# Allegro board POWERBOARD_V1_11_20240516.brd (continued)
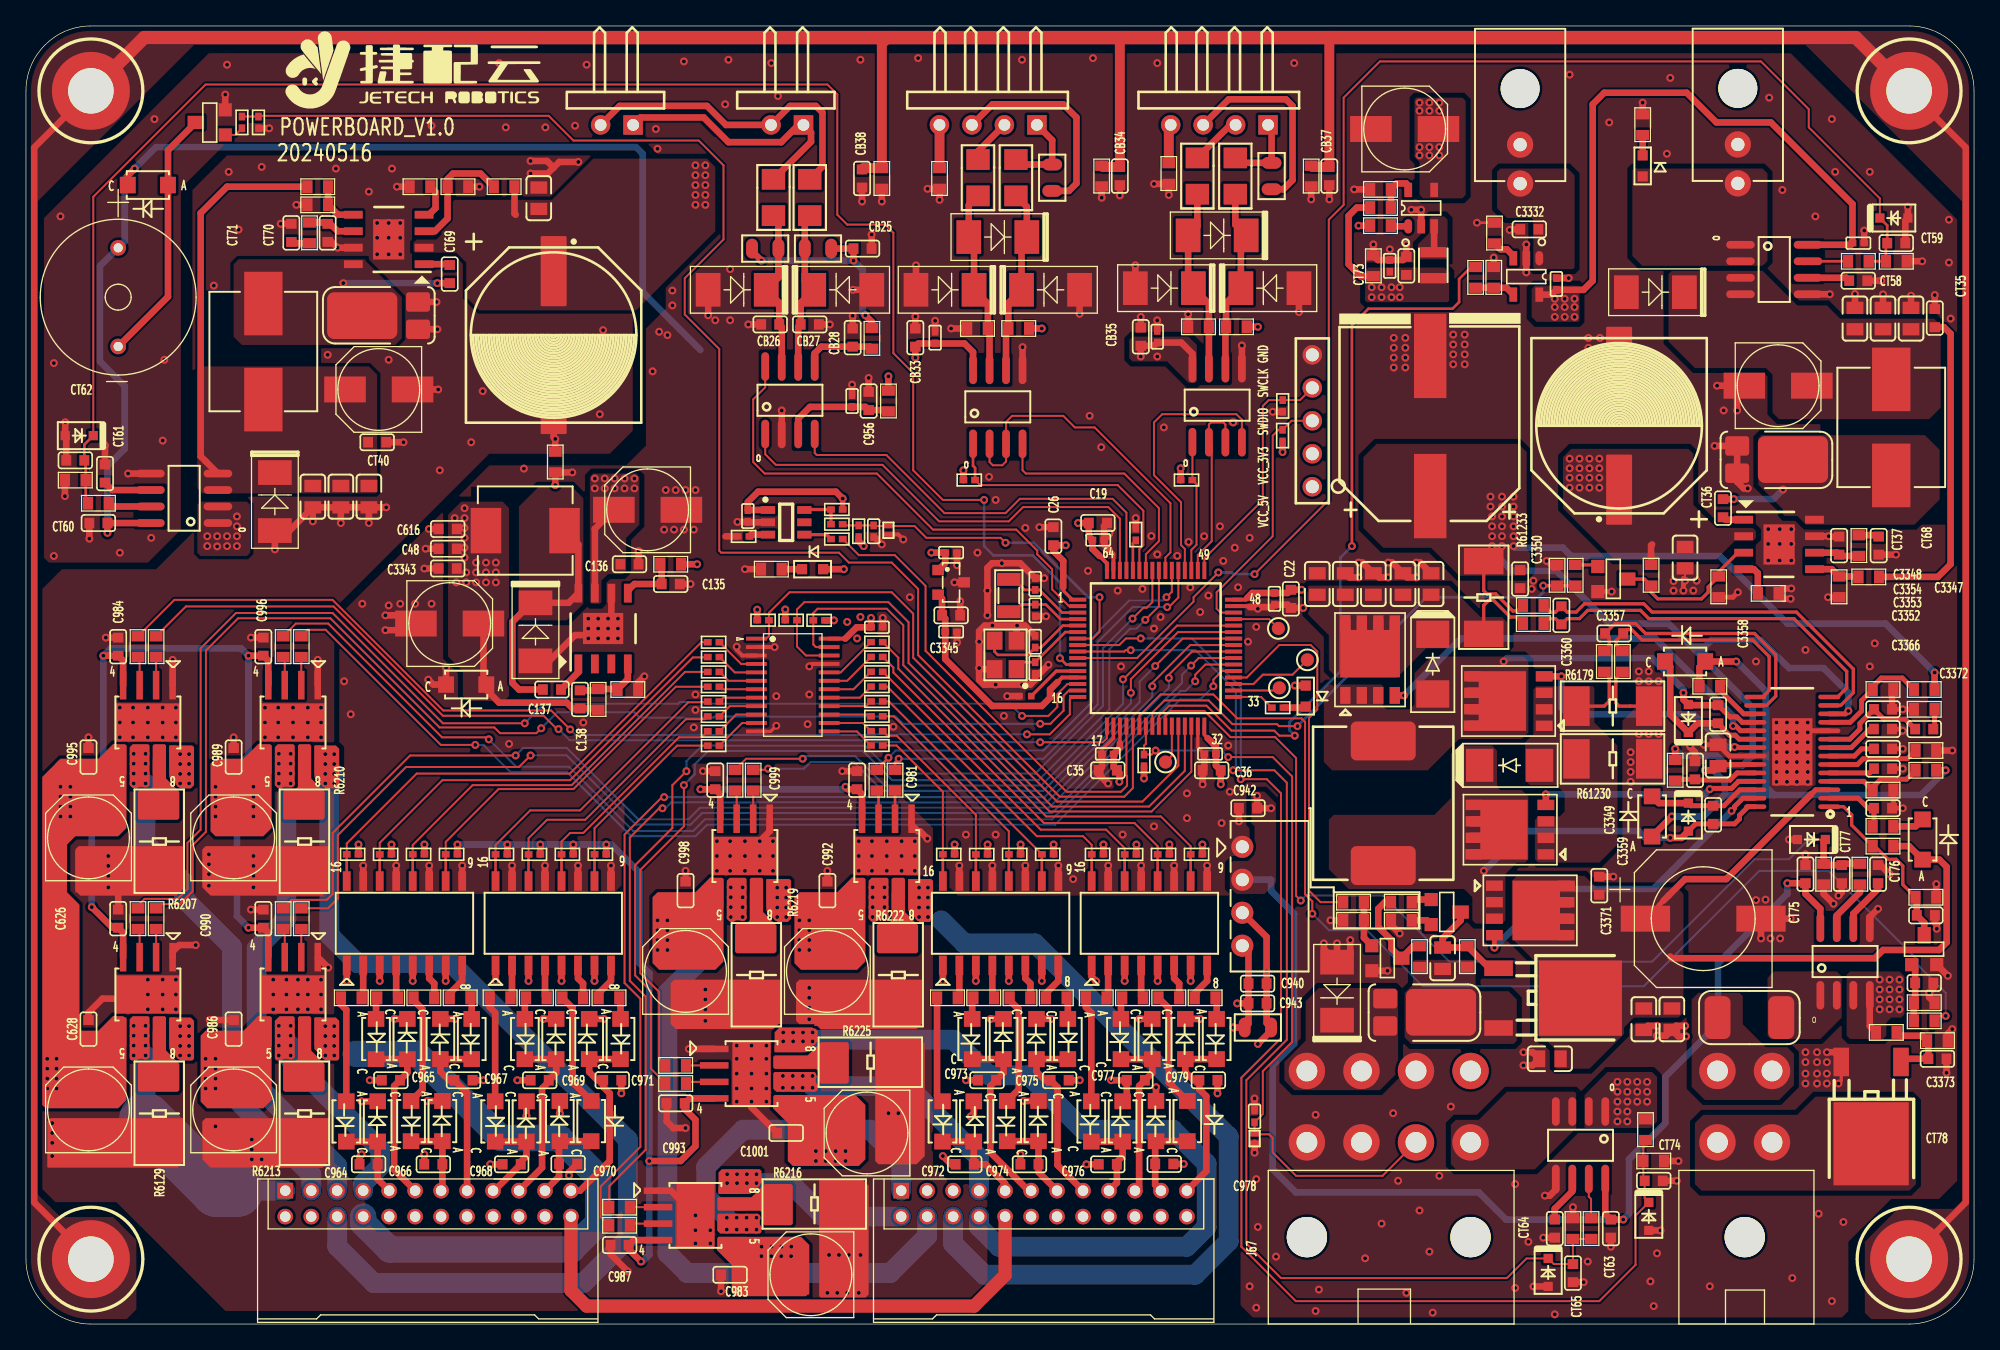
[diagram p0: board, top side]
## Routing (per net, layer and track width the routed paths; a pad name or vN(x,y) marks a point on that pad's centre or on a via; arc(x,y) is an arc through that point) (continued)
GND_ISO: length 90.1
  TOP w0.508: v1(83.55,18.78) C977.2 84.76,17.48 UT97.1 ; v1(72.74,15.99) 72.98,16.23 UT93.1 ; UT87.1 v1(30.92,17.18) ; C971.2 v1(45.84,17.77) ; UT90.1 v1(39.84,23.51) ; v1(25.84,13.07) 25.69,12.91 C964.2 ; UT88.1 v1(33.05,23.51) ; C965.2 v1(26.48,18.78) ; UT98.1 v1(85.74,23.51) ; C976.2 v1(81.65,12.31) ; UT100.1 v1(90.41,23.51) ; C973.2 v1(72.38,18.78) ; C969.2 v1(37.83,18.78) ; UT85.1 v1(25.84,17.16) ; C968.2 v1(35.75,12.31) ; UT86.1 v1(28.38,23.51) ; UT96.1 v1(78.95,23.51) ; UT89.1 v1(38.54,16.04) ; UT95.1 v1(76.82,17.18) ; UT91.1 v1(41.11,16.22) ; v1(94.86,21.58) 95.87,22.59 R6151.2 95.53,23.19 C943.2 C940.2 v1(95.53,27.17) 95.53,29.82 UT23.3 ; v1(70.6,12.94) 71.24,12.31 C972.2 ; C978.2 v1(89.14,12.33) ; C970.2 41.81,11.7 v1(41.81,11.44) ; UT99.1 v1(87.01,18.25) ; C967.2 v1(35.24,18.78) ; C979.2 v1(91.75,17.77) ; C974.2 v1(76.57,13.07) ; UT92.1 v1(44.51,23.51) ; UT94.1 v1(74.28,23.51) ; C966.2 v1(30.67,13.07) ; C975.2 v1(81.14,18.78)
  TOP w1.016: J75.10 75.39,3.76 73.01,1.38 43.17,1.38 41.97,2.59 J74.24
PGND: length 365.4
  TOP w0.508: MH3.1 0.64,90.64 0.64,9.37 MH2.1 ; MH4.1 149.36,9.37 149.36,90.64 MH1.1
  TOP w0.762: 84.32,99.11 84.23,99.02 CB34.2 82.93,89.14 DT74.2 ; 66.41,99.11 65.9,98.6 DT80.2 64.48,89.05 CB38.2 ; 100.45,99.11 100.36,99.02 CB37.2 99.06,89.14 DT79.2
  TOP w1.016: MH1.1 140.89,99.11 9.11,99.11 MH3.1
VCC_3V3: length 231.2
  TOP w0.254: U3119.1 80.57,55.81 79.87,56.5 79.87,56.76 ; 84.23,44.73 U3119.19 ; 90.98,45.14 90.73,45.39 U3119.32
  TOP w0.305: 94.03,55.93 93.91,55.81 U3119.48 ; U3119.64 83.23,58.6 82.67,59.17 ; 63.09,52.8 UT25.24
  TOP w0.381: RT72.1 v1(62.89,63.59)
  TOP w0.508: DT73.1 v1(72.18,65.77) ; R6186.2 v1(33.22,36.94) ; 82.67,59.17 82.11,59.72 C20.2 81.84,60.68 C19.2 v1(81.01,61.71) ; U3138.4 53.46,40.82 C999.1 v1(51.93,41.2) ; DT75.1 v1(88.91,65.92) ; v1(76.58,36.94) 76.58,36.19 R6193.2 ; RT170.1 v1(56.3,55.03) ; v1(47.36,4.81) 46.41,5.77 C987.1 46.79,6.46 U3137.4 ; v1(63.11,41.39) 63.3,41.2 C981.1 64.38,40.82 U3139.4 ; 84.23,44.73 84.23,44.4 C33.1 83.75,42.9 C35.1 84.19,42.47 v1(84.19,41.77) ; RT173.1 v1(62.21,54.21) ; U3107.4 7.48,30.15 C626.1 6.66,30.53 v1(5.07,32.12) ; R6195.2 v1(82.96,36.94) ; U3135.4 18.66,51.11 C996.1 v1(17.13,51.49) ; DT76.1 v1(94.86,76.82) ; v1(85.84,74.54) CB35.1 86.86,75.36 CB36.1 88.96,75.61 89.82,74.75 UT114.8 ; v1(47.99,12.56) 50.41,12.56 51.55,13.7 51.55,15.74 50.72,16.56 C993.1 51.11,17.39 U3140.4 ; v1(37.06,36.94) 37.06,36.19 R6187.2 ; DT47.1 v1(78.22,76.7) ; v1(98.22,56.57) C22.1 97.15,56.32 C21.1 94.42,56.32 94.03,55.93 ; R6128.1 v1(96.76,67.18) ; U3136.4 18.66,30.15 C990.1 v1(17.13,30.53) ; R6189.2 42.14,36.19 v1(42.14,36.94) ; R6196.2 v1(85.5,36.94) ; 63.09,52.8 63.97,53.68 CB30.1 v1(65.07,54.4) ; D833.2 v1(97.7,49.19) ; R6190.2 44.68,36.19 v1(44.68,36.94) ; v1(92,41.58) C36.1 91.63,43.03 C34.1 91.63,44.49 90.98,45.14 ; UT22.1 55.6,62.71 CT56.1 55.58,63.33 56.38,64.12 62.36,64.12 v1(62.89,63.59) ; v1(64.5,59.93) 64.12,60.32 R254.1 ; v1(39.6,36.94) 39.6,36.18 R6188.2 ; R6197.2 v1(88.04,36.94) ; R6240.1 102.48,86.01 101.84,85.38 101.84,81.65 102.77,80.72 R6242.1 ; R6184.2 v1(28.14,36.94) ; R6192.2 v1(74.05,36.94) ; UT44.8 72.92,74.88 72.26,75.54 CB22.1 68.73,75.54 CB33.1 v1(68.48,74.45) ; RT172.1 v1(58.46,55.05) ; R6250.1 v1(86.09,42.03) ; R6183.2 v1(25.6,36.94) ; v1(5.96,51.49) C984.1 7.48,51.11 U3134.4 ; R6191.2 v1(71.51,36.94) ; v1(80.06,60) C26.1 79.11,59.55 79.87,58.79 79.87,56.76 ; R6185.2 v1(30.68,36.94) ; R6198.2 v1(90.58,36.94) ; R6194.2 v1(79.13,36.94)
  BOTTOM w0.508: v1(63.11,41.39) 62.92,41.2 v1(51.93,41.2) ; v1(33.22,36.94) v1(37.06,36.94) 37.07,36.94 v1(39.6,36.94) 39.61,36.94 v1(42.14,36.94) v1(44.68,36.94) 45.07,36.94 47.23,34.79 47.23,27.8 47.99,27.04 v1(47.99,12.56) 47.99,5.32 47.49,4.81 v1(47.36,4.81) ; v1(17.13,30.53) 16.24,31.42 16.24,42.91 17.13,43.8 v1(17.13,51.49) 16.56,52.06 6.53,52.06 v1(5.96,51.49) 5.96,43.29 5.07,42.41 v1(5.07,32.12)
  vias: v1(63.23,54.09) v1(64,52.82) v1(64.25,54.47) v1(87.11,74.54) v1(103.62,79.87) v1(103.62,79.11) v1(104.38,79.87) v1(104.38,79.11) v1(105.14,79.87) v1(105.14,79.11) v1(105.78,79.87) v1(105.78,79.11)
VCC_5V: length 259.5
  TOP w0.508: U3148.8 140.51,83.14 CT57.1 140.64,86.28 134.35,92.57 130.16,92.57 127.88,94.86 121.53,94.86 120.64,93.97 120.64,80.38 119.93,79.67 CT67.1 117.47,79.3 U3018.5 ; v1(135.62,33.96) CT75.1 137.02,33.13 138.16,31.99 U3161.8 ; v1(95.87,39.74) C942.1 v1(94.79,40.69) ; D836.1 7.84,88.48 v1(8.37,89.01) ; R71.1 43.95,47.42 C138.1 42.09,47.42 41.64,47.87 36.44,47.87 35.23,49.08 C619.1 ; D835.2 v1(62.98,58.15) ; U3132.8 6.27,61.71 CT60.1 v1(6.27,60.95) ; v1(122.99,8.05) CT63.1 121.61,8.48 U3149.8 ; DB51.1 v1(66.41,73.01) ; R6239.1 v1(102.6,84.61) ; v1(69.71,59.43) C1002.1 70.78,58.63 U3155.1
  BOTTOM w0.508: v1(6.27,60.95) 6.27,66.09 7.61,67.42 7.61,72.25 5.7,74.16 5.7,81.51 U9.1 7.61,83.42 7.61,88.25 v1(8.37,89.01) 10.02,90.67 46.98,90.67 47.49,90.16 47.49,79.49 51.93,75.04 ; UT23.2 95.87,34.23 95.87,33.39 97.65,31.61 97.65,21.58 96,19.93 96,11.93 97.78,10.15 111.88,10.15 113.97,8.05 v1(122.99,8.05) 123.43,8.5 123.43,12.69 126.23,15.48 126.23,19.04 130.29,23.1 130.29,27.8 135.62,33.13 v1(135.62,33.96)
  vias: v1(33.01,62.09) v1(33.14,57.14) v1(33.77,62.85) v1(33.77,62.09) v1(33.77,61.33) v1(33.77,60.57) v1(33.77,59.8) v1(33.77,59.04) v1(33.9,57.9) v1(33.9,57.14) v1(34.66,58.66) v1(34.66,57.9) v1(34.66,57.14) v1(35.42,58.66) v1(35.42,57.9) v1(35.42,57.14) v1(36.18,58.66) v1(36.18,57.9) v1(36.18,57.14) v1(107.3,94.09) v1(107.3,93.46) v1(107.3,90.67) v1(107.3,90.03) v1(108.07,94.09) v1(108.07,93.46) v1(108.07,90.67) v1(108.07,90.03) v1(108.83,94.09) v1(108.83,93.46) v1(108.83,90.67) v1(108.83,90.03) v1(117.72,78.98) v1(117.72,78.35) v1(117.72,77.58) v1(118.48,78.98) v1(118.48,78.35) v1(118.48,77.58) v1(119.24,78.98) v1(119.24,78.35) v1(119.24,77.58)
VCC_12V_B: length 25.1
  TOP w0.508: CT35.1 147.69,76.8 148.2,76.29 148.2,58.53 147.22,57.56 R342.1
VCC_ISO: length 27.7
  TOP w0.508: U3152.7 v1(78.22,26.43) ; U61.5 v1(29.78,26.43) ; U3151.5 v1(41.24,26.43) ; U3151.1 v1(36.16,26.43) ; v1(82.41,26.4) 82.06,26.76 U3153.1 ; 70.6,27.63 v1(70.6,26.43) ; U3153.7 v1(89.68,26.43) ; U61.7 v1(32.32,26.43) ; U61.1 v1(24.7,26.43) ; U3153.3 v1(84.6,26.43) ; C943.1 v1(93.26,24.7) ; C943.1 94.13,23.14 R6151.1 v1(92.95,22.85) ; C943.1 C940.1 94.13,28.67 UT23.4 ; U3153.5 v1(87.14,26.43) ; U3151.7 v1(43.78,26.43) ; U3152.3 v1(73.14,26.43) ; 75.68,27.63 v1(75.68,26.43) ; U61.3 v1(27.24,26.43) ; U3151.3 v1(38.7,26.43)
ADC_12V_CURRENT: length 110.2
  TOP w0.152: U3119.10 85.56,51.31 89.9,55.65 89.9,55.99 v1(91.81,57.9) ; v1(94.6,57.77) 100.32,63.49 100.32,85.08 101.46,86.22 101.46,94.48 104.26,97.27 133.59,97.27 137.28,93.59 137.28,92.19 142.75,86.72 UT108.1
  TOP w0.203: UT108.1 143.32,84.64 CT59.1 143.21,83.17 R6200.1 R6199.2
  BOTTOM w0.203: v1(91.81,57.9) 92.83,57.9 92.95,57.77 v1(94.6,57.77)
ADC_SYSTEM_CURRENT: length 91.4
  TOP w0.152: U3119.9 84.57,51.81 84.68,51.92 v1(85.06,51.92) ; v1(92.95,42.66) 96.13,42.66 97.08,41.7 97.08,21.9 93.97,18.78 93.97,6.21 96.64,3.54 114.03,3.54 115.55,5.05 UT107.1 117.64,4.62 CT65.1 R6204.1 R6203.2
  BOTTOM w0.152: v1(85.06,51.92) 90.04,51.92 93.16,48.81 93.16,42.86 v1(92.95,42.66)
ADC_SYSTEM_VOLTAGE: length 104.7
  TOP w0.152: R6248.2 124.54,14.01 R6249.1 124.54,11.14 CT74.1 124.64,9.69 UT120.1 123.94,8.36 123.94,4.56 121.15,1.77 97.78,1.77 93.59,5.96 93.59,18.98 96.64,22.02 96.64,40.88 95.54,41.97 v1(93.54,41.97) ; v1(85.84,52.82) 84.7,52.82 84.18,52.31 U3119.8
  BOTTOM w0.152: v1(85.84,52.82) 89.78,52.82 93.54,49.06 v1(93.54,41.97)
ADC_VBAT_CHAG_CURRENT: length 75
  TOP w0.152: v1(98.16,32.63) 97.8,32.99 97.8,43.61 96.19,45.22 92.75,45.22 90.73,47.23 88.13,47.23 87.73,46.84 U3119.26 ; UT121.1 v1(137.53,37.33)
  TOP w0.508: R61237.2 139.92,35.46 CT77.1 138.52,35.36 R61238.1 138.42,37.19 UT121.1
  BOTTOM w0.152: v1(98.16,32.63) 98.54,33.01 104.51,33.01 109.59,27.93 125.21,27.93 133.08,35.8 135.75,35.8 137.28,37.33 v1(137.53,37.33)
ADC_VM_CURRENT: length 142.7
  TOP w0.152: v1(73.78,63.49) 70.6,63.49 68.31,65.77 68.31,73.27 66.79,74.79 66.79,84.06 66.16,84.7 63.23,84.7 62.47,85.46 62.47,94.73 61.71,95.49 13.83,95.49 5.18,86.84 UT109.1
  TOP w0.203: v1(79.62,51.3) 80.1,50.81 U3119.11 ; R6201.2 4.6,63.41 R6202.1 4.6,66.43 CT62.1 4.5,67.75 UT109.1
  BOTTOM w0.203: v1(73.78,63.49) 73.78,59.93 74.49,59.22 77.53,59.22 79.62,57.14 v1(79.62,51.3)
BEEPER: length 118.4
  TOP w0.152: R6170.1 R6171.1 17.96,93.08 40.25,93.08 42.15,91.17 51.8,91.17 53.71,89.27 53.71,83.55 50.72,80.57 50.72,77.77 53.38,75.12 53.38,59.58 53.53,59.42 62.6,59.42 63.36,58.66 66.66,58.66 68.7,56.63 68.7,51.53 79.6,40.63 84.57,40.63 85.23,41.29 U3119.21
BEEPER-: length 19.7
  TOP w0.508: Q12.3 10.94,90.42 D836.2 10.94,79.14 U9.2
CAN+: length 20.3
  TOP w0.508: J77.1 47.32,92.95 52.19,92.95 54.09,91.05 58.15,91.05 59.48,92.38 J70.1 60.45,91.8 60.45,91.08 UB13.2
CAN-: length 24.7
  TOP w0.508: J77.2 45.71,93.84 52.44,93.84 53.9,92.38 J70.2 58.83,93.84 60.82,93.84 61.33,93.33 61.33,89.16 UB14.2
CAN_STB: length 38.4
  TOP w0.152: U3118.8 56.92,72.16 56,71.23 56,66.41 56.88,65.52 65.52,65.52 69.84,61.2 76.25,61.2 77.87,59.58 77.87,59.3 79.01,58.15 79.01,56.6 80.3,55.31 U3119.2
CANRX: length 32.7
  TOP w0.152: U3119.61 84.73,62.51 83.67,63.57 76.53,63.57 75.43,62.47 70.73,62.47 66.25,66.95 60.88,66.95 60.73,67.1 U3118.4
CANTX: length 35.8
  TOP w0.152: U3119.62 84.23,62.05 83.34,62.94 76.78,62.94 75.68,61.84 70.31,61.84 65.95,66.19 57.74,66.19 56.92,67 U3118.1
INT#: length 47.9
  TOP w0.152: U3119.28 88.73,43.01 85.97,40.25 79.4,40.25 68.31,51.33 68.31,54.72 66.66,56.38 58.79,56.38 57.21,54.8 RT170.2 57.21,53.01 57.01,52.8 UT25.1
KEY: length 58.9
  TOP w0.152: v1(86.98,44.18) 86.67,43.87 R6250.2 86.09,44.56 86.23,44.7 U3119.23 ; v1(92.57,43.68) 96,43.68 97.49,42.18 97.49,21.73 95.24,19.48 95.24,16.18 C612.1 94.6,14.62 ESD10.1 95.72,14.61 96,14.34 96,13.22 97.8,11.42 104.45,11.42 J67.6
  BOTTOM w0.152: v1(86.98,44.18) 92.06,44.18 v1(92.57,43.68)
LM5176_EN: length 91.8
  TOP w0.152: U3119.22 85.73,46.87 87.36,48.5 91.43,48.5 93.27,46.66 98.22,46.66 98.49,46.39 98.49,33.12 99.05,32.56 v1(99.05,31.61) ; v1(147.82,23.74) 147.35,23.74 R61240.1
  BOTTOM w0.152: v1(99.05,31.61) 100.32,30.34 103.24,30.34 107.56,26.02 124.58,26.02 133.47,34.91 138.8,34.91 145.66,28.05 145.66,27.67 147.82,25.51 v1(147.82,23.74)
LM5176_VIN_EN: length 29.4
  TOP w0.152: R61247.1 99.68,32.5 98.79,33.39 98.79,46.7 99.43,47.34 99.43,51.8 98.92,52.31 96.51,52.31 94,49.81 U3119.36
MOTOR_IN1_0: length 98.4
  TOP w0.152: v1(76.7,46.85) 78.73,46.85 79.41,47.54 79.41,48.53 80.19,49.31 U3119.14 ; R6131.1 8.62,32.25 9.13,32.75 11.67,32.75 12.43,33.52 12.43,37.07 13.45,38.09 13.45,52.06 16.17,54.77 23.61,54.77 32.11,46.28 v1(38.41,46.28)
  BOTTOM w0.152: v1(38.41,46.28) 39.92,47.79 50.2,47.79 50.33,47.92 52.26,47.92 52.39,47.79 75.76,47.79 v1(76.7,46.85)
MOTOR_IN1_1: length 79.7
  TOP w0.152: v1(41.9,45.81) 40.44,47.27 32.12,47.27 23.6,55.79 11.43,55.79 R6206.1 ; U3119.16 80.57,48.31 80.38,48.12 80.38,46.98 78.83,45.43 v1(77.08,45.43)
  BOTTOM w0.152: v1(77.08,45.43) 65.39,45.43 65.34,45.38 42.33,45.38 v1(41.9,45.81)
MOTOR_IN1_2: length 85.8
  TOP w0.152: U3119.38 90.81,50.81 90.03,50.03 v1(90.03,49.52) ; R6209.1 20.78,53.96 23.27,53.96 32.04,45.2 35.48,45.2 v1(35.64,45.04)
  BOTTOM w0.152: v1(35.64,45.04) 37.74,42.94 41.81,42.94 46.77,37.99 51.38,37.99 52.27,38.88 79.01,38.88 88.89,48.76 89.27,48.76 v1(90.03,49.52)
MOTOR_IN1_3: length 89.3
  TOP w0.152: v1(88,49.77) 88,50.03 89.78,51.81 U3119.40 ; R6212.1 20.45,32.68 23.15,32.68 23.61,33.13 23.61,37.83 29.58,43.8 v1(37.71,43.8)
  BOTTOM w0.152: v1(37.71,43.8) 38.29,44.39 41.63,44.39 47.14,38.88 51.01,38.88 51.9,39.78 78.77,39.78 88,49.01 v1(88,49.77)
MOTOR_IN1_4: length 86.2
  TOP w0.152: U3119.42 89.07,52.81 v1(86.95,50.69) ; R6215.1 44.26,8.26 44.26,10.6 47.31,13.65 47.31,25.06 46.09,26.28 46.09,37.71 48.97,40.59 v1(49.14,40.59)
  BOTTOM w0.152: v1(86.95,50.69) 85.75,49.48 85.75,47.91 78.43,40.59 v1(49.14,40.59)
MOTOR_IN1_5: length 46
  TOP w0.152: v1(59.81,43.55) 55.45,43.55 R6218.1 ; U3119.44 88.63,53.81 84.49,49.67 v1(84.47,49.67)
  BOTTOM w0.152: v1(59.81,43.55) 60.01,43.75 63.85,43.75 66.11,41.49 78.17,41.49 84.47,47.79 v1(84.47,49.67)
MOTOR_IN1_6: length 33
  TOP w0.152: U3119.54 88.23,56.41 v1(87.82,55.99)
  TOP w0.203: R6221.1 65.52,42.73 v1(66.41,43.62)
  BOTTOM w0.152: v1(66.41,43.62) 66.97,44.18 78.35,44.18 82.11,47.94 82.11,52.9 84.95,55.74 87.56,55.74 v1(87.82,55.99)
MOTOR_IN1_7: length 75.2
  TOP w0.152: R6224.1 49.23,18.57 48.12,19.67 48.12,25.64 46.9,26.86 46.9,35.34 49.77,38.21 49.77,41.51 v1(50.85,42.59) ; U3119.57 86.73,55.62 86.3,55.18 86.04,55.18 v1(85.21,54.34)
  BOTTOM w0.152: v1(50.85,42.59) 50.85,43.36 52.06,44.56 64.61,44.56 66.76,42.41 77.71,42.41 82.92,47.61 82.92,52.06 v1(85.21,54.34)
MOTOR_IN2_0: length 97
  TOP w0.152: U3119.15 80.3,48.81 79.9,48.4 79.9,47.26 78.88,46.24 v1(78.09,46.24) ; v1(39.68,45.9) 39.29,45.52 36.5,45.52 36.06,45.96 31.85,45.96 23.44,54.37 16.34,54.37 13.86,51.89 13.86,37.92 12.84,36.9 12.84,33.35 11.84,32.35 10.34,32.35 R6130.1
  BOTTOM w0.152: v1(78.09,46.24) 67.53,46.24 66.97,46.8 53.02,46.8 52.95,46.72 47.26,46.72 46.85,47.13 40.91,47.13 v1(39.68,45.9)
MOTOR_IN2_1: length 79.6
  TOP w0.152: R6205.1 12.32,55.28 23.68,55.28 32.1,46.86 39.85,46.86 40.88,45.83 v1(41.01,45.83) ; v1(78.09,44.82) 82.92,44.82 83.23,45.13 U3119.17
  BOTTOM w0.152: v1(78.09,44.82) 65.14,44.82 64.99,44.97 41.87,44.97 v1(41.01,45.83)
MOTOR_IN2_2: length 84.1
  TOP w0.152: v1(34.6,44.61) 31.94,44.61 23.07,53.48 21.7,53.48 R6208.1 ; v1(91.43,49.14) 91.43,49.64 92.09,50.31 U3119.37
  BOTTOM w0.152: v1(34.6,44.61) 35.22,44.61 37.3,42.53 41.64,42.53 46.6,37.58 51.55,37.58 52.44,38.47 79.24,38.47 88.89,48.12 90.41,48.12 v1(91.43,49.14)
MOTOR_IN2_3: length 87.4
  TOP w0.152: v1(38.85,43.8) 37.96,42.91 29.26,42.91 24.02,37.66 24.02,32.78 23.27,32.03 R6211.1 ; U3119.39 90.3,51.31 v1(89.71,50.72)
  BOTTOM w0.152: v1(89.71,50.72) 89.02,50.03 89.02,49.39 79,39.37 52.07,39.37 51.18,38.48 46.97,38.48 41.63,43.81 38.86,43.81 v1(38.85,43.8)
MOTOR_IN2_4: length 83.4
  TOP w0.152: U3119.41 89.65,52.31 86.73,49.39 v1(86.73,49.14) ; v1(49.01,39.74) 48.76,39.74 46.5,37.48 46.5,26.44 47.71,25.23 47.71,13.42 44.91,10.62 R6214.1
  BOTTOM w0.152: v1(49.01,39.74) 49.24,39.74 49.68,40.18 78.6,40.18 86.73,48.31 v1(86.73,49.14)
MOTOR_IN2_5: length 44.3
  TOP w0.152: v1(85.08,48.63) 85.08,49.68 88.71,53.31 U3119.43 ; R6217.1 57.05,42.7 v1(57.14,42.79)
  BOTTOM w0.152: v1(57.14,42.79) 59.91,42.79 60.41,43.29 63.74,43.29 65.95,41.08 78.34,41.08 85.08,47.82 v1(85.08,48.63)
MOTOR_IN2_6: length 32.6
  TOP w0.152: v1(87.87,55.23) 88,55.23 88.73,55.97 U3119.53
  TOP w0.203: v1(67.2,43.55) 66.92,43.27 R6220.1
  BOTTOM w0.152: v1(67.2,43.55) 78.35,43.55 82.51,47.71 82.51,52.54 85.21,55.23 v1(87.87,55.23)
MOTOR_IN2_7: length 73.8
  TOP w0.152: U3119.56 87.23,55.29 v1(86.19,54.25) ; R6223.1 48.76,20.4 48.76,25.58 47.31,27.03 47.31,34.99 50.66,38.34 v1(50.66,41.52)
  BOTTOM w0.152: v1(86.19,54.25) 85.52,53.58 85.02,53.58 83.43,51.99 83.43,47.36 77.97,41.9 66.7,41.9 64.44,44.16 52.54,44.16 51.49,43.1 51.49,42.34 v1(50.66,41.52)
MOTOR_OUT1_0: length 17.9
  BOTTOM w1.524: 16.24,10.28 J74.1 ; v1(9.21,20.69) 9.21,15.79
  BOTTOM w4.064: 9.21,15.79 14.72,10.28 16.24,10.28
  vias: v1(8.29,22.97) v1(8.29,22.21) v1(8.29,21.45) v1(8.29,20.69) v1(9.21,22.97) v1(9.21,22.21) v1(9.21,21.45)
MOTOR_OUT1_1: length 36.7
  BOTTOM w1.524: J74.3 21.97,11.54 15.86,17.64 15.86,29.07 12.18,32.75 12.18,34.02 9.21,36.99 v1(9.21,41.64)
  vias: v1(8.29,43.93) v1(8.29,43.17) v1(8.29,42.41) v1(8.29,41.64) v1(9.21,43.93) v1(9.21,43.17) v1(9.21,42.41)
MOTOR_OUT1_2: length 33.9
  BOTTOM w1.524: 20.05,40.63 20.05,31.23 17.77,28.94 17.77,18.4 23.96,12.21 J74.5
  vias: v1(19.47,43.93) v1(19.47,43.17) v1(19.47,42.41) v1(19.47,41.64) v1(20.38,43.93) v1(20.38,43.17) v1(20.38,42.41) v1(20.38,41.64)
MOTOR_OUT1_3: length 14.6
  BOTTOM w1.524: J74.7 25.97,10.85 27.29,12.18 27.29,13.45 20.38,20.36 v1(20.38,20.69) v1(20.38,21.45)
  vias: v1(19.47,22.97) v1(19.47,22.21) v1(19.47,21.45) v1(19.47,20.69) v1(20.38,22.97) v1(20.38,22.21)
MOTOR_OUT1_4: length 23.9
  BOTTOM w1.524: J75.1 67.39,12.56 64.98,14.97 55.23,14.97 52.38,12.12 52.38,9.83 53.9,8.31
  vias: v1(53.96,8.19) v1(53.96,7.28) v1(54.73,8.19) v1(54.73,7.28) v1(55.49,8.19) v1(55.49,7.28) v1(56.25,8.19) v1(56.25,7.28)
MOTOR_OUT1_5:
  vias: v1(54.27,33.64) v1(54.27,32.88) v1(54.27,32.12) v1(54.27,31.36) v1(55.18,33.64) v1(55.18,32.88) v1(55.18,32.12) v1(55.18,31.36)
MOTOR_OUT1_6:
  vias: v1(65.19,33.64) v1(65.19,32.88) v1(65.19,32.12) v1(65.19,31.36) v1(66.1,33.64) v1(66.1,32.88) v1(66.1,32.12) v1(66.1,31.36)
MOTOR_OUT1_7: length 17.6
  BOTTOM w1.524: 60.57,18.33 67.88,18.33 73.39,12.82 J75.7
  vias: v1(58.28,19.11) v1(58.28,18.2) v1(59.04,19.11) v1(59.04,18.2) v1(59.81,19.11) v1(59.81,18.2) v1(60.57,19.11) v1(60.57,18.2)
MOTOR_OUT2_0:
  vias: v1(11.87,22.95) v1(11.87,22.19) v1(11.87,21.42) v1(11.87,20.69) v1(12.56,22.95) v1(12.56,22.19) v1(12.56,21.42) v1(12.56,20.69)
MOTOR_OUT2_1:
  vias: v1(11.87,43.9) v1(11.87,43.14) v1(11.87,42.38) v1(11.87,41.64) v1(12.56,43.9) v1(12.56,43.14) v1(12.56,42.38) v1(12.56,41.64)
MOTOR_OUT2_2: length 77
  BOTTOM w1.524: J74.6 23.97,5.98 26.79,3.16 42.91,3.16 46.34,6.59 46.34,14.2 32.75,27.8 25.52,27.8 23.36,29.96 23.36,42 v1(23.73,42.38)
  vias: v1(23.05,43.9) v1(23.05,43.14) v1(23.05,42.38) v1(23.05,41.64) v1(23.73,43.9) v1(23.73,43.14) v1(23.74,41.64)
MOTOR_OUT2_3: length 46.4
  BOTTOM w2.032: 25.39,20.82 30.09,20.82 36.56,14.34 41.06,14.34 44.06,11.34 44.06,7.78 42.03,5.74 28,5.74 25.97,7.78 J74.8
  vias: v1(23.05,22.95) v1(23.05,22.19) v1(23.05,21.42) v1(23.05,20.69) v1(23.73,22.95) v1(23.73,22.19) v1(23.73,21.42) v1(23.74,20.69)
MOTOR_OUT2_4: length 12.2
  BOTTOM w1.524: v1(56.25,10.85) 58.84,10.85 61.42,8.28 J75.2
  vias: v1(53.99,11.54) v1(53.99,10.85) v1(54.75,11.54) v1(54.75,10.85) v1(55.51,11.54) v1(55.51,10.85) v1(56.25,11.54)
MOTOR_OUT2_5: length 47
  BOTTOM w1.524: 51.93,28.05 49.39,25.51 49.39,5.45 50.92,3.92 66.54,3.92 69.39,6.78 J75.4
  vias: v1(57.85,33.62) v1(57.85,32.85) v1(57.85,32.09) v1(57.85,31.36) v1(58.53,33.62) v1(58.53,32.85) v1(58.53,32.09) v1(58.54,31.36)
MOTOR_OUT2_6: length 62.5
  BOTTOM w1.524: 70.47,31.1 72.25,29.32 77.69,29.32 84.78,22.24 84.82,22.24 92.61,14.45 92.61,6.37 90.03,3.8 73.78,3.8 71.39,6.18 J75.6
  vias: v1(68.77,33.62) v1(68.77,32.85) v1(68.77,32.09) v1(68.77,31.36) v1(69.45,33.62) v1(69.45,32.85) v1(69.45,32.09) v1(69.46,31.36)
MOTOR_OUT2_7: length 58.7
  BOTTOM w1.524: 60.57,21.9 71.42,21.9 74.16,19.16 77.2,19.16 81.4,14.97 88.3,14.97 90.91,12.37 90.91,7.48 89.38,5.96 74.92,5.96 73.39,7.48 J75.8
  vias: v1(58.31,22.46) v1(58.31,21.78) v1(59.07,22.46) v1(59.07,21.78) v1(59.83,22.46) v1(59.83,21.78) v1(60.57,22.47) v1(60.57,21.78)
MOTOR_POS_CON_0: length 6.6
  TOP w0.508: J74.9 27.08,11.16 C964.1 UT85.2 D816.1
MOTOR_POS_CON_1: length 13.6
  TOP w0.508: J74.11 28.35,11.89 28.35,18.34 C965.1 29.37,19.36 UT86.2 D817.1
MOTOR_POS_CON_2: length 6.3
  TOP w0.508: J74.13 32.06,10.37 C966.1 UT87.2 D818.1
MOTOR_POS_CON_3: length 13.6
  TOP w0.508: J74.15 33.97,17.81 C967.1 32.57,18.78 31.91,19.45 UT88.2 D819.1
MOTOR_POS_CON_4: length 7.3
  TOP w0.508: J74.17 36.07,10.28 C968.1 38.1,12.5 38.54,12.94 UT89.2 D820.1
MOTOR_POS_CON_5: length 13.7
  TOP w0.508: J74.19 39.74,12.05 39.74,18.15 40.25,18.66 C969.1 40.83,19.36 UT90.2 D821.1
MOTOR_POS_CON_6: length 6.7
  TOP w0.508: D822.1 UT91.2 41.05,14.02 C970.1 41.05,11.36 J74.21
MOTOR_POS_CON_7: length 15.1
  TOP w0.508: D823.1 UT92.2 43.37,19.42 44,18.78 C971.1 44.45,18.27 44.95,17.77 44.95,12.56 42.66,10.28 J74.23
MOTOR_POS_CON_8: length 7.7
  TOP w0.508: J75.9 75.39,10.82 73.9,12.31 C972.1 UT93.2 D824.1
MOTOR_POS_CON_9: length 14.4
  TOP w0.508: J75.11 77.2,10.28 74.25,13.22 74.25,18.34 C973.1 75.27,19.36 UT94.2 D825.1
MOTOR_POS_CON_10: length 6.8
  TOP w0.508: D826.1 UT95.2 C974.1 77.97,11.7 J75.13
MOTOR_POS_CON_11: length 14.3
  TOP w0.508: D827.1 UT96.2 77.81,19.45 78.47,18.78 C975.1 79.43,18.25 79.43,12.24 J75.15
MOTOR_POS_CON_12: length 6.6
  TOP w0.508: D828.1 UT97.2 84.44,12.94 84,12.5 C976.1 84,10.88 J75.17
MOTOR_POS_CON_13: length 13.1
  TOP w0.508: D829.1 UT98.2 86.73,19.36 C977.1 85.71,18.34 85.71,10.6 J75.19
MOTOR_POS_CON_14: length 6.4
  TOP w0.508: D830.1 UT99.2 86.95,14.02 C978.1 86.95,10.72 J75.21
MOTOR_POS_CON_15: length 14.1
  TOP w0.508: D831.1 UT100.2 89.27,19.42 89.9,18.78 C979.1 90.35,18.08 90.89,17.55 90.89,11.77 J75.23
MOTOR_POSITION0: length 37.1
  TOP w0.152: R6183.1 24.7,37.02 30.09,42.41 41.88,42.41 52,52.52 RT142.2
  TOP w0.203: R6183.1 24.7,36.19 U61.16
MOTOR_POSITION1: length 34.1
  TOP w0.152: RT143.2 52.47,51.36 51.36,51.36 41.9,41.9 32.07,41.9 27.24,37.07 R6184.1
  TOP w0.203: U61.14 27.24,36.18 R6184.1
MOTOR_POSITION2: length 31
  TOP w0.152: RT144.2 50.75,50.24 42.03,41.52 34.39,41.52 29.78,36.9 R6185.1
  TOP w0.203: U61.12 R6185.1
MOTOR_POSITION3: length 28.1
  TOP w0.152: RT145.2 50.04,49.09 42.15,41.21 36.39,41.21 32.32,37.14 R6186.1
  TOP w0.203: R6186.1 32.32,36.19 U61.10
MOTOR_POSITION4: length 23.7
  TOP w0.152: RT146.2 52.44,47.9 51,47.9 42.67,39.57 38.83,39.57 36.16,36.9 R6187.1
  TOP w0.203: R6187.1 36.16,36.19 U3151.16
MOTOR_POSITION5: length 21
  TOP w0.152: R6188.1 38.7,37.43 40.12,38.85 43.06,38.85 50.81,46.6 52.28,46.6 RT147.2
  TOP w0.203: U3151.14 38.7,36.18 R6188.1
MOTOR_POSITION6: length 17.8
  TOP w0.152: RT148.2 52.03,45.2 50.28,45.2 42.91,37.83 41.9,37.83 41.24,37.17 R6189.1
  TOP w0.203: U3151.12 R6189.1
MOTOR_POSITION7: length 15.4
  TOP w0.152: R6190.1 43.78,38.2 50.14,44.56 RT149.2
  TOP w0.203: R6190.1 43.78,36.19 U3151.10
MOTOR_POSITION8: length 13
  TOP w0.152: RT150.2 67.04,44.57 70.6,41.01 R6191.1
  TOP w0.203: R6191.1 70.6,36.19 70.6,34.13
MOTOR_POSITION9: length 14.9
  TOP w0.152: R6192.1 73.14,39.23 67.04,45.33 66.32,45.33 RT151.2
  TOP w0.203: U3152.14 73.14,36.18 R6192.1
MOTOR_POSITION10: length 17.2
  TOP w0.152: 75.68,36.19 75.68,37.96 66.82,46.82 RT152.2
  TOP w0.203: 75.68,34.13 75.68,36.19
MOTOR_POSITION11: length 19.2
  TOP w0.152: R6194.1 66.45,47.96 RT153.2
  TOP w0.203: R6194.1 78.22,36.19 U3152.10
MOTOR_POSITION12: length 23.9
  TOP w0.152: R6195.1 82.06,36.91 81.4,37.58 77.84,37.58 66.31,49.11 RT154.2
  TOP w0.203: R6195.1 82.06,36.19 U3153.16
MOTOR_POSITION13: length 26.8
  TOP w0.152: RT155.2 78.13,38.09 83.17,38.09 84.6,36.66 R6196.1
  TOP w0.203: U3153.14 84.6,36.18 R6196.1
MOTOR_POSITION14: length 30.1
  TOP w0.152: RT156.2 66.79,50.57 66.79,50.19 78.39,38.6 85.36,38.6 87.14,36.81 R6197.1
  TOP w0.203: U3153.12 R6197.1
MOTOR_POSITION15: length 33.4
  TOP w0.152: R6198.1 89.68,36.81 87.39,39.1 78.55,39.1 67.17,50.49 67.17,51.33 RT157.2
  TOP w0.203: U3153.10 89.68,36.19 R6198.1
NRST: length 26.7
  TOP w0.152: RT71.2 62.98,61.53 R254.2 C531.1 65.32,61.48 ESD9.1 68.42,61.48 69.33,60.57 75.05,60.57 v1(75.43,60.19) ; U3119.7 82.15,52.81 82.67,53.33 v1(82.67,55.99)
  BOTTOM w0.203: v1(75.43,60.19) 77.59,60.19 81.78,55.99 v1(82.67,55.99)
PWR_5V_EN: length 58.7
  TOP w0.152: U3119.25 87.23,46.85 88.02,47.64 90.9,47.64 92.82,45.72 96.12,45.72 96.51,45.33 v1(97.7,45.33)
  TOP w0.203: v1(102.1,59.93) 102.1,76.95 103.37,78.22 109.84,78.22 110.35,78.73 110.35,80.51 111.28,81.43 R6226.2
  BOTTOM w0.203: v1(102.1,59.93) 101.21,59.04 101.21,50.28 97.3,46.37 97.3,45.73 v1(97.7,45.33)
PWR_12V_EN: length 39.6
  TOP w0.152: v1(97.91,46.06) 96.48,46.06 96.33,46.22 92.9,46.22 91.07,48.04 87.67,48.04 86.73,47.11 U3119.24
  TOP w0.254: v1(116.83,56.88) 116.83,56.88 DT71.1 DT70.1
  BOTTOM w0.203: v1(97.91,46.06) 107.84,55.99 116.45,55.99 116.83,56.38 v1(116.83,56.88)
RS485_1+: length 6.5
  TOP w0.508: UB11.2 76.61,89.33 R6238.1 79.02,91.2 J72.1
RS485_1-: length 3.5
  TOP w0.508: J72.2 73.31,90.35 UB12.2
RS485_1_120OHM: length 16.3
  TOP w0.508: R6238.2 80.31,87.29 80.89,87.87 80.89,92.95 79.87,93.97 74.42,93.97 J72.3
RS485_1_GND: length 3.3
  TOP w0.762: J72.4 70.35,92.37 DT82.2
RS485_2+: length 6
  TOP w0.508: UB15.2 93.5,89.45 R6237.1 95.91,92.11 J76.1
RS485_2-: length 4
  TOP w0.508: UB16.2 92.74,92.38 J76.2
RS485_2_120OHM: length 15.5
  TOP w0.508: R6237.2 96.82,87.42 97.52,88.13 97.52,93.84 97.02,94.35 92.61,94.35 J76.3
RS485_2_GND: length 3
  TOP w0.762: DT81.2 88,92.24 J76.4
RS485_EN_0: length 26.9
  TOP w0.152: U3119.55 87.73,59.05 88.13,59.44 88.13,63.23 82.28,69.08 80.76,69.08 79.87,69.96 75.93,69.96 75.46,69.49 UT44.3 75.46,66.45 75.17,66.15 74.45,66.15 74.19,66.41 UT44.2
RS485_EN_1: length 14.5
  TOP w0.152: UT114.3 92.36,69.3 92.2,69.46 91.24,69.46 91.09,69.3 UT114.2 91.3,67.72 91.3,60.31 90.23,59.24 U3119.50
RS485_RXD0: length 21.5
  TOP w0.152: U3119.59 85.73,59.7 86.04,60 86.04,62.65 84.06,64.63 73.47,64.63 DT73.2
  TOP w0.203: UT44.1 72.92,66.12 73.08,65.96 DT73.2